# Altium PCB main_board.PcbDoc (part 1 of 2) (continued)
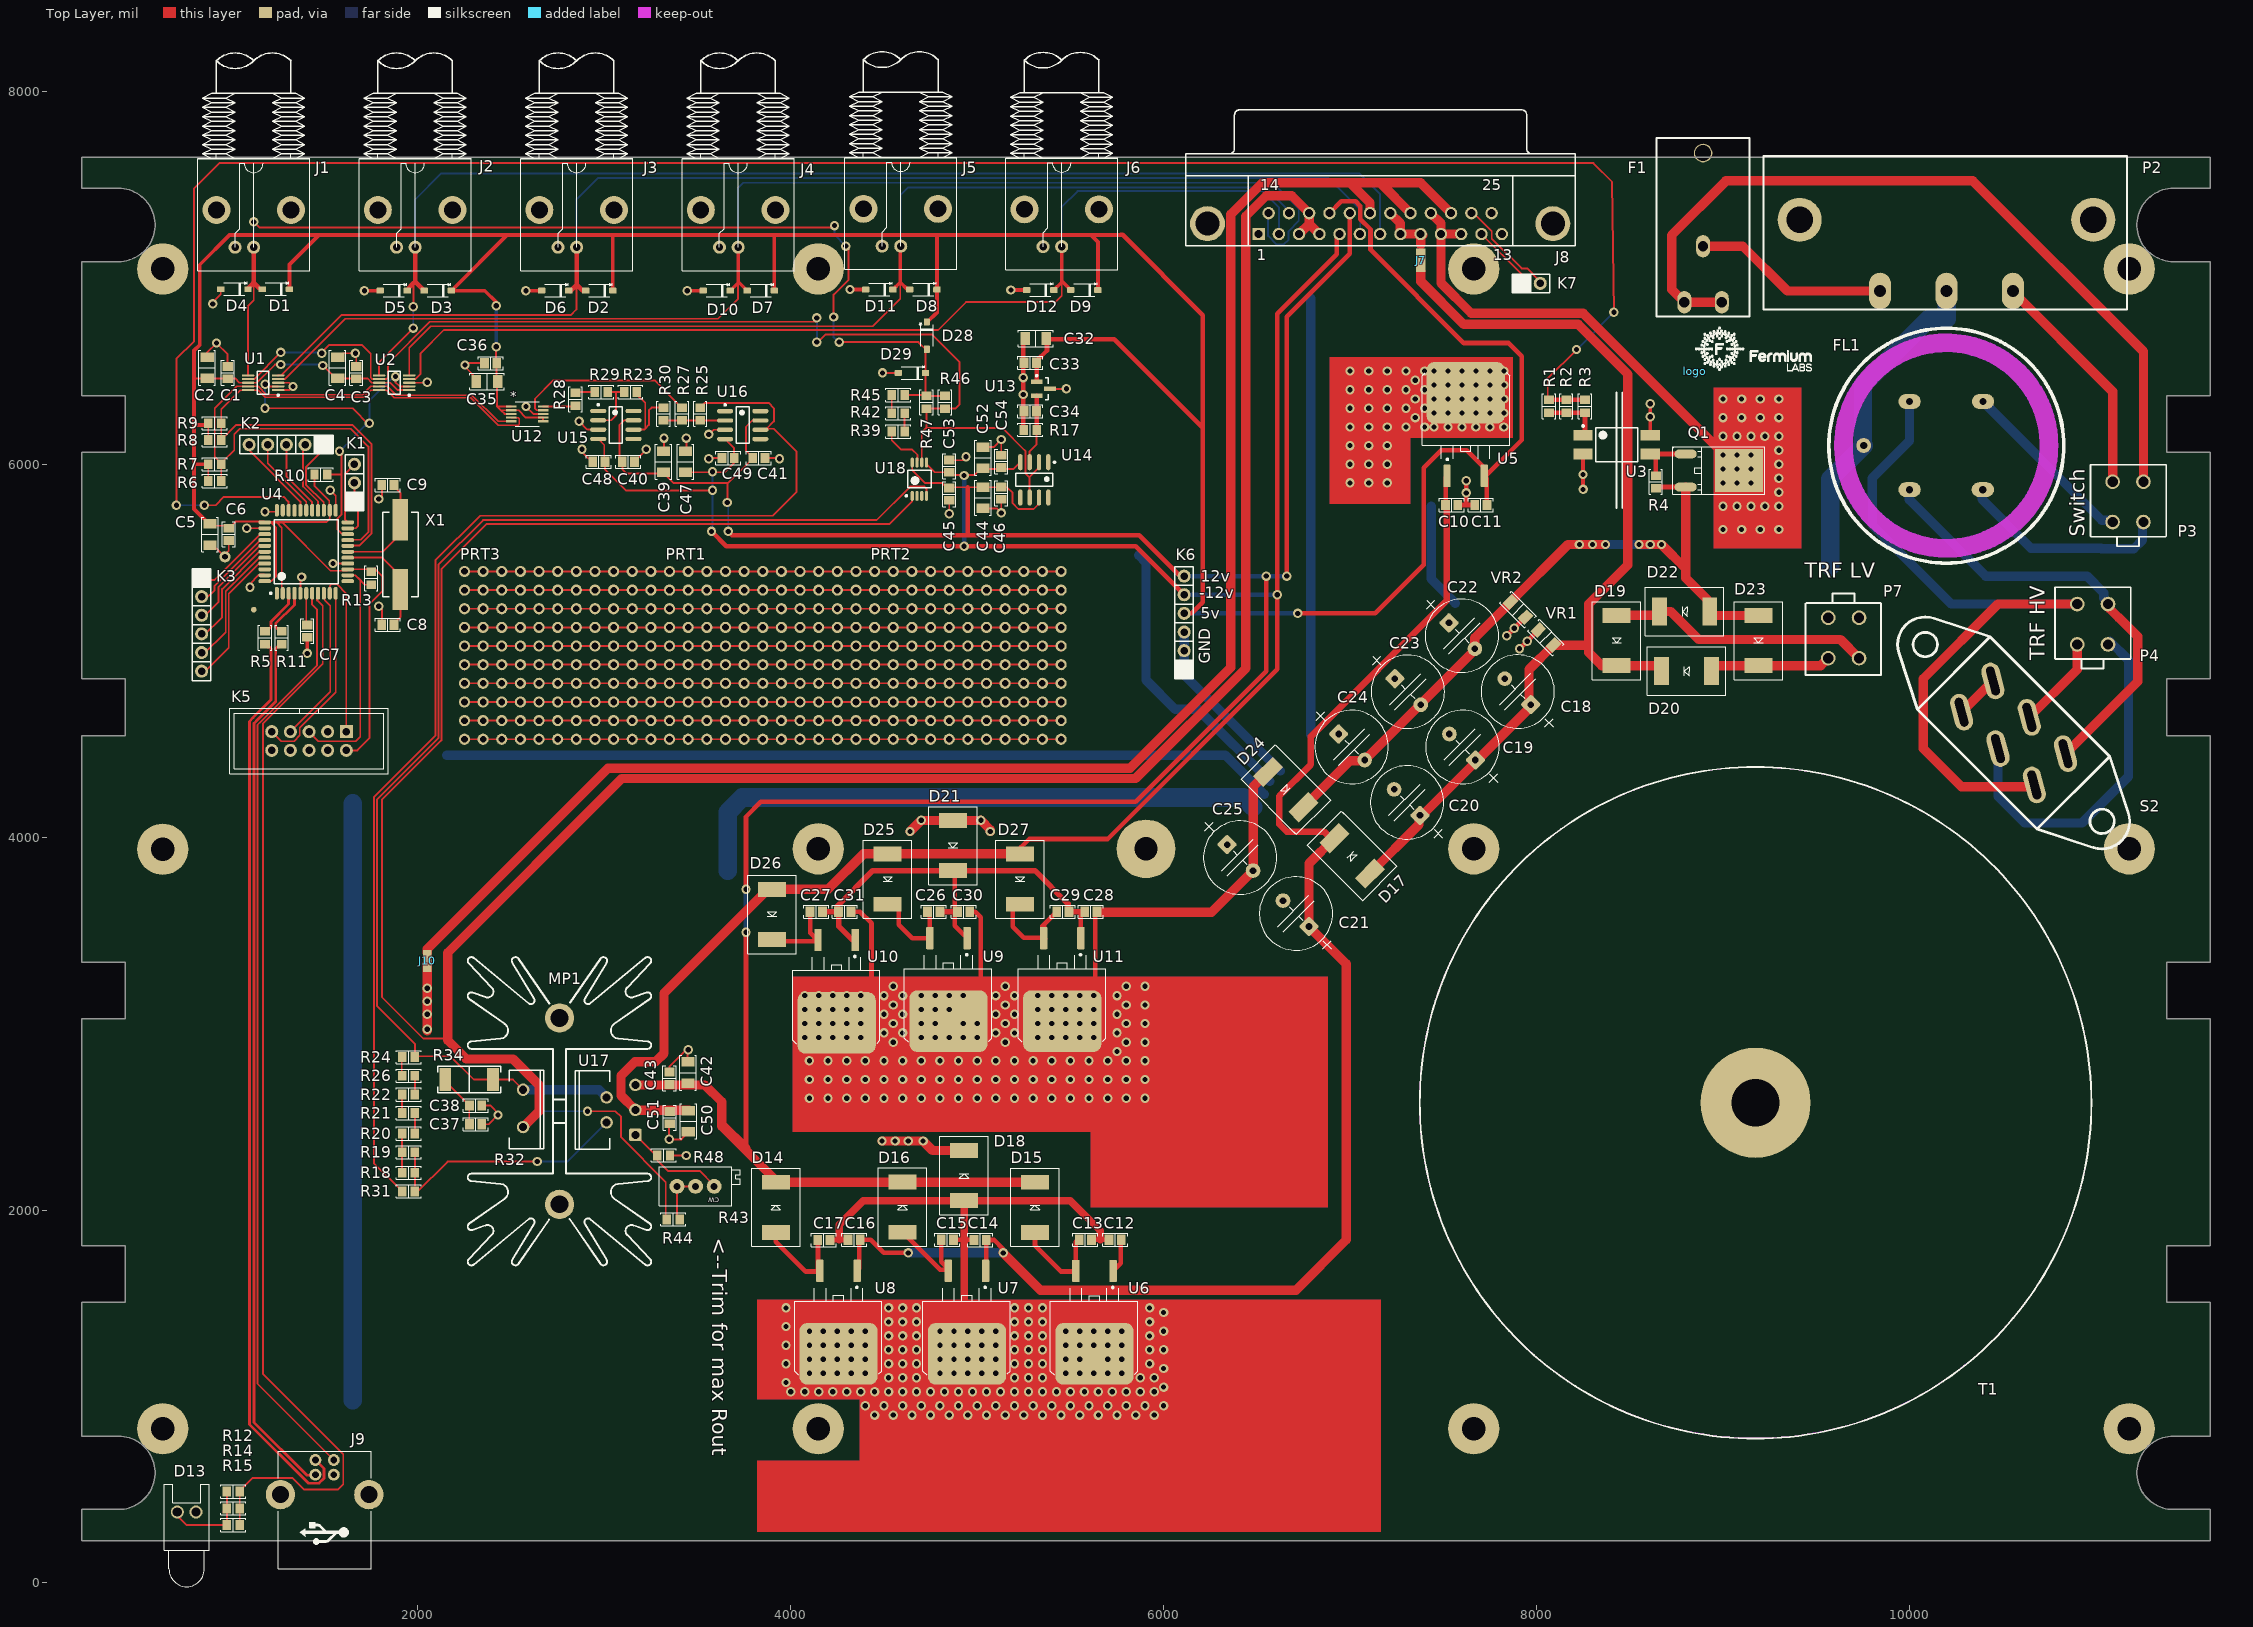
[diagram p0: Top Layer view]
## Components (designator, comment, footprint, x,y, rotation, side; value= is the part's Value field where it differs from the comment) (continued)
X1 "" "ABRACON ABLS" 1906.5,5515.47 r90 top

## Footprints (in the part's own frame and the unit in brackets; to place one, negate y for a bottom-side part, rotate by r counter-clockwise, add the part's x,y. Pads: shape width x height; smd on the part's side, far side on the other; paste and mask are expansions set on the pad)
2way_LP#1 [mil] "2 way low power net tie junction"
  rrect5% 100x50 smd paste-100: 1(-14,0) 2(14,0)
2way_LP#2 [mil] "2 way low power net tie junction"
  rrect5% 90x45 smd paste-100: 1(-14,0) 2(14,0)
21-0061L [mil]
  rect 56x11 smd: 1(-85.5,39.37) 2(-85.5,19.69) 3(-85.5,0) 4(-85.5,-19.68) 5(-85.5,-39.37) 6(85.5,-39.37) 7(85.5,-19.68) 8(85.5,0) 9(85.5,19.69) 10(85.5,39.37)
  silkscreen extent -65,-65 65,65
44ML_N [mm] "Thin QFP, 44-Leads, Body 10x10mm, Pitch 0.8mm, IPC Medium Density"
  oval 1.75x0.55 smd: 1(-5.65,4) 2(-5.65,3.2) 3(-5.65,2.4) 4(-5.65,1.6) 5(-5.65,0.8) 6(-5.65,0) 7(-5.65,-0.8) 8(-5.65,-1.6) 9(-5.65,-2.4) 10(-5.65,-3.2) 11(-5.65,-4) 23(5.65,-4) 24(5.65,-3.2) 25(5.65,-2.4) 26(5.65,-1.6) 27(5.65,-0.8) 28(5.65,0) 29(5.65,0.8) 30(5.65,1.6) 31(5.65,2.4) 32(5.65,3.2) 33(5.65,4)
  oval 0.55x1.75 smd: 12(-4,-5.65) 13(-3.2,-5.65) 14(-2.4,-5.65) 15(-1.6,-5.65) 16(-0.8,-5.65) 17(0,-5.65) 18(0.8,-5.65) 19(1.6,-5.65) 20(2.4,-5.65) 21(3.2,-5.65) 22(4,-5.65) 34(4,5.65) 35(3.2,5.65) 36(2.4,5.65) 37(1.6,5.65) 38(0.8,5.65) 39(0,5.65) 40(-0.8,5.65) 41(-1.6,5.65) 42(-2.4,5.65) 43(-3.2,5.65) 44(-4,5.65)
  silkscreen extent -5.77,-4.35 4.35,4.95, body extent -5,-5 5,5, height 1.2
"ABRACON ABLS" [mm] "Crystal, 2-Leads, Body 4.70x11.40mm, Pitch 8.80mm, IPC Medium Density"
  rect 5.6x2.1 smd: 1(-4.75,0) 2(4.75,0)
  silkscreen extent -5.77,-2.42 5.77,2.43, body extent -6.35,-2.35 6.35,2.35, height 4.2
BNC-RA [mil]
  round 70 hole 40: 1(-200,-200) 2(-300,-200)
  round 150 hole 90: A(0,0) B(-400,0)
  silkscreen extent -500,-325 100,842, body extent -490,-280 91,1127, height 619
"CAP 0805/2012" [mm] "Chip Capacitor, 2-Leads, Body 2.00x1.20mm, IPC Medium Density"
  rect 1.2x1.4 smd: 1(-0.838,0) 2(0.838,0)
  silkscreen extent -1.7,-0.9 1.7,0.9, body extent -1,-0.64 1,0.64, height 1.26
"CAP 1206/3216" [mm] "Chip Capacitor, 2-Leads, Body 3.25x1.60mm, IPC Medium Density"
  rect 1.3x1.8 smd: 1(-1.45,0) 2(1.45,0)
  silkscreen extent -2.38,-1.12 2.37,1.13, body extent -1.6,-0.81 1.6,0.81, height 1.62
"CAP 1206/3216 - 1.8MM" [mm] "Chip Capacitor, 2-Leads, Body 3.25x1.60mm, IPC Medium Density"
  rect 1.3x1.8 smd: 1(-1.45,0) 2(1.45,0)
  silkscreen extent -2.38,-1.13 2.37,1.13, body extent -1.6,-0.8 1.6,0.8, height 1.8
CAPE5.0mm [mm]
  rrect25% 2x2 hole 0.9: 1(-2.5,0)
  round 2 hole 0.9: 2(2.5,0)
  silkscreen extent -6.8,-5 5,5, body extent -4.96,-4.97 4.95,4.96, height 20
D2PAK-3 [mil] "D-PAK/TO-263-3; 3 Leads (1 Cropped); Body 14.7 (inc. leads) x 10.2 mm (LxW max)"
  round 20 on Mech15: 0(0,0)
  rrect25% 120x40 smd: 1(222.5,-100) 3(222.5,100)
  rrect25% 330x420 smd: 2(-222.5,0)
  silkscreen extent -335,-232 139,236, body extent -361,-197 256,197, height 189
DB25 [mm]
  rect 1.69x1.69 hole 1.09: 1(0,0)
  round 1.69 hole 1.09: 2(2.761,0) 3(5.522,0) 4(8.283,0) 5(11.044,0) 6(13.805,0) 7(16.566,0) 8(19.327,0) 9(22.088,0) 10(24.849,0) 11(27.61,0) 12(30.371,0) 13(33.132,0) 14(1.381,2.84) 15(4.141,2.84) 16(6.903,2.84) 17(9.663,2.84) 18(12.424,2.84) 19(15.186,2.84) 20(17.946,2.84) 21(20.708,2.84) 22(23.469,2.84) 23(26.229,2.84) 24(28.991,2.84) 25(31.751,2.84)
  round 4.76 hole 3.26: 26(-6.96,1.42) 27(40.092,1.42)
  silkscreen extent -9.93,-1.58 43.17,16.92, body extent -9.95,-1.55 43.15,16.95, height 12.6
DIODE-SMC [mil]
  rect 80x150 smd: A(-19.68,0) K(-288.74,0)
  silkscreen extent -365,-130 55,130, body extent -309,-118 2,118, height 84
DPAK-GDS [mm]
  rect 6.5x5.9 smd: D(7.275,-2.25)
  oval 3x1.2 smd: G(0,0) S(0,-4.5)
  silkscreen extent -1.78,-5.46 10.79,1.02, body extent -0.5,-5.48 9.44,1.06, height 2.41
FM412-2 [mil]
  oval 120x80 hole 39.37: 1(-195,-236.5) 2(199,-236.5) 4(199,236.5) 5(-194,236.5)
  round 80 hole 39.37: 3(445,-0.5)
  Top Layer keep-out circle w100: c2.43,-0.07 r551.18
  silkscreen extent -628,-629 632,630, body extent -549,-549 553,554, height 610
FPG5-3101-0050 [mil]
  oval 75x120 hole 55: 1(218.5,369.09) 2(118.11,68.9) 2(318.9,68.9)
  round 100 hole 85: 4(218.5,869.09)
  silkscreen extent -31,-7 467,951, body extent -27,1 466,1261, height 502
frm-med [mil]
  silkscreen extent 1,1 626,237
GSP1-8101-1 [mm]
  oval 3x5 hole 1.65: 1(0,0) 2(9.05,0) 3(18.1,0)
  round 6 hole 3.6: NC(-10.95,9.7) NC(29.05,9.7)
  silkscreen extent -15.88,-2.54 33.65,18.41, body extent -15.79,-2.48 33.81,21.82, height 30.25
gullwing-opto-4 [mm] "SOP, 4-Leads, Body 4,60x6,50mm, Pitch 2,54mm, IPC Low Density"
  rect 2.6x1.45 smd: 1(-4.575,1.27) 2(-4.575,-1.27) 3(4.575,-1.27) 4(4.575,1.27)
  silkscreen extent -4.7,-2.3 2.88,2.67, body extent -5.15,-2.3 5.15,2.3, height 3.5
HEADER-1X2 [mil]
  rect 70x70 hole 40: 1(0,0)
  round 70 hole 40: 2(0,-100)
  silkscreen extent -50,-150 50,50, body extent -50,-150 50,50, height 470
HEADER-1X3 [mil]
  rect 70x70 hole 40: 1(0,0)
  round 70 hole 40: 2(0,-100) 3(0,-200)
  silkscreen extent -50,-250 50,50, body extent -50,-250 50,50, height 470
HEADER-1X5 [mil]
  rect 70x70 hole 40: 1(0,0)
  round 70 hole 40: 2(0,-100) 3(0,-200) 4(0,-300) 5(0,-400)
  silkscreen extent -50,-450 50,50, body extent -50,-450 50,50, height 470
HEADER-1X6 [mil]
  rect 70x70 hole 40: 1(0,0)
  round 70 hole 40: 2(0,-100) 3(0,-200) 4(0,-300) 5(0,-400) 6(0,-500)
  silkscreen extent -50,-550 50,50, body extent -50,-550 50,50, height 470
IDC10-B [mil]
  rect 70x70 hole 40: 1(0,0)
  round 70 hole 40: 2(0,100) 3(100,0) 4(100,100) 5(200,0) 6(200,100) 7(300,0) 8(300,100) 9(400,0) 10(400,100)
  silkscreen extent -225,-125 625,225, body extent -225,-125 625,225, height 358
LED-0 [mil] "LED; 2 Leads"
  round 70 hole 50: 1(50,0) 2(-50,0)
  silkscreen extent -120,-400 120,150
MCTA060 [mm]
  round 15 hole 6.5: NC(0,0)
  Keep-Out Layer region: 0,-45.72 -17.503,-42.244 -32.344,-32.335 -42.263,-17.501 -45.75,0 -45.75,0 -39.621,22.875 -22.875,39.62 0,45.75 0,45.75 17.501,42.263 32.335,32.344 42.244,17.503 45.72,0 45.72,0 42.24,-17.496 32.329,-32.329 17.496,-42.24 0,-45.72
  silkscreen extent -45.75,-45.75 45.75,45.75, body extent -42.5,-42.49 42.5,42.49, height 30
MOLEX-039281043 [mm]
  round 2 hole 1.4: 1(4.2,0) 2(0,0) 3(4.2,5.5) 4(0,5.5)
  silkscreen extent -3.1,-2.3 7.2,8.8, body extent -3.12,-2.26 7.28,8.74, height 12.8
"MSOP_MO-187-AA AD8220" [mm] "TSOP, 8-Leads, Body 3.00x3.00mm, Pitch 0.65mm, IPC Medium Density"
  oval 1.35x0.45 smd: 1(-2.275,0.975) 2(-2.275,0.325) 3(-2.275,-0.325) 4(-2.275,-0.975) 5(2.275,-0.975) 6(2.275,-0.325) 7(2.275,0.325) 8(2.275,0.975)
  silkscreen extent -2.4,-1.6 1.2,1.9, body extent -2.45,-1.6 2.45,1.6, height 1.1
protoboard-1inch [mil]
  round 60 hole 35.43: 1(0,1000) 1(100,1000) 1(200,1000) 1(300,1000) 1(400,1000) 1(500,1000) 1(600,1000) 1(700,1000) 1(800,1000) 1(900,1000) 1(1000,1000) 2(0,900) 2(100,900) 2(200,900) 2(300,900) 2(400,900) 2(500,900) 2(600,900) 2(700,900) 2(800,900) 2(900,900) 2(1000,900) 3(0,800) 3(100,800) 3(200,800) 3(300,800) 3(400,800) 3(500,800) 3(600,800) 3(700,800) 3(800,800) 3(900,800) 3(1000,800) 4(0,700) 4(100,700) 4(200,700) 4(300,700) 4(400,700) 4(500,700) 4(600,700) 4(700,700) 4(800,700) 4(900,700) 4(1000,700) 5(0,600) 5(100,600) 5(200,600) 5(300,600) 5(400,600) 5(500,600) 5(600,600) 5(700,600) 5(800,600) 5(900,600) 5(1000,600) 6(0,500) 6(100,500) 6(200,500) 6(300,500) 6(400,500) 6(500,500) 6(600,500) 6(700,500) 6(800,500) 6(900,500) 6(1000,500) 7(0,400) 7(100,400) 7(200,400) 7(300,400) 7(400,400) 7(500,400) 7(600,400) 7(700,400) 7(800,400) 7(900,400) 7(1000,400) 8(0,300) 8(100,300) 8(200,300) 8(300,300) 8(400,300) 8(500,300) 8(600,300) 8(700,300) 8(800,300) 8(900,300) 8(1000,300) 9(0,200) 9(100,200) 9(200,200) 9(300,200) 9(400,200) 9(500,200) 9(600,200) 9(700,200) 9(800,200) 9(900,200) 9(1000,200) 10(0,100) 10(100,100) 10(200,100) 10(300,100) 10(400,100) 10(500,100) 10(600,100) 10(700,100) 10(800,100) 10(900,100) 10(1000,100)
"RES 0805/2012" [mm] "Chip Resistor, 2-Leads, Body 2.00x1.25mm, IPC Medium Density"
  rect 1.15x1.35 smd: 1(-0.875,0) 2(0.875,0)
  silkscreen extent -1.7,-0.9 1.7,0.9, body extent -0.95,-0.62 1.05,0.63, height 0.6
SK129-50STS [mm]
  round 4 hole 2.4: 1(-12.624,-0.013) 1(12.776,-0.013)
  silkscreen extent -20.93,-12.5 21.07,12.5, body extent -20.93,-12.43 21.07,12.57, height 51
SOD123 [mm] "SOD-123; 2 Leads; Body 2.7 x 1.6 mm, (LxW)"
  round 0.508 on Mech15: 0(0,0)
  rrect25% 1x0.8 smd: A(1.85,0) K(-1.85,0)
  silkscreen extent -1.75,-1 1.45,0.85, body extent -1.95,-0.9 1.95,0.9, height 1.18
"STACKPOLE CSRN2512" [mm] "Chip Resistor, 2-Leads, Body 6.40x3.20mm, IPC Medium Density"
  rect 1.6x3.1 smd: 1(-3.25,0) 2(3.25,0)
  silkscreen extent -4.3,-1.8 4.3,1.8, body extent -3.25,-1.58 3.25,1.57, height 0.6
T22205B [mil]
  oval 200x98.43 hole 45 slot 157.48 at 150 deg rot 150: 1(551.44,237) 2(551.44,0) 3(276,237.39) 4(275.61,0) 5(0,237.39) 6(0,0)
  silkscreen extent -543,-157 1094,394, body extent -542,-157 1092,395, height 517
TI-D8_N [mm] "SOIC, 8-Leads, Body 4.9x3.9mm, Pitch 1.27mm, IPC Medium Density"
  oval 2.2x0.6 smd: 1(-2.4,1.905) 2(-2.4,0.635) 3(-2.4,-0.635) 4(-2.4,-1.905) 5(2.4,-1.905) 6(2.4,-0.635) 7(2.4,0.635) 8(2.4,1.905)
  silkscreen extent -2.52,-2.5 0.9,2.88, body extent -2,-2.5 2,2.5, height 1.75
TI-DBZ3_N [mm] "SOT23, 3-Leads, Body 2.92x1.3 mm, Pitch 0.95 mm, IPC Medium Density"
  rect 1.6x0.6 smd: 1(-0.9,0.95) 2(-0.9,-0.95) 3(0.9,0)
  silkscreen extent -1.02,-1.5 0.7,1.92, body extent -0.7,-1.52 0.7,1.52, height 1.12
TI-DGS10_N [mm] "SOP, 10-Leads, Body 3x3mm, Pitch 0.5mm, IPC Medium Density"
  oval 1.7x0.3 smd: 1(-2.05,1) 2(-2.05,0.5) 3(-2.05,0) 4(-2.05,-0.5) 5(-2.05,-1) 6(2.05,-1) 7(2.05,-0.5) 8(2.05,0) 9(2.05,0.5) 10(2.05,1)
  silkscreen extent -2.18,-1.55 0.8,1.82, body extent -1.55,-1.55 1.55,1.55, height 1.1
TO220-2PIN [mil]
  round 66.93 hole 43: 1(-103,0) 2(97,0)
  silkscreen extent -207,-73 214,112, body extent -237,-68 231,105, height 1028
TO-220-5 [mm] "TO, Thru-Hole, Vertical, Heatsink Mounted; 5 Bent Staggered Leads; Pitch 1.7mm"
  round 0.5 on Mech15: 0(0,0)
  rrect25% 1.7x1.7 hole 1.092: 1(-3.4,-1.96)
  round 1.7 hole 1.092: 2(-1.7,1.96) 3(0,-1.96) 4(1.7,1.96) 5(3.4,-1.96)
  silkscreen extent -5.35,1.51 5.35,6.21, body extent -5.08,-2.16 5.08,6.08, height 20.99
trimmer-multiturn [mil]
  round 80 hole 38: 1(0,0) 2(200,0) 3(100,0)
  silkscreen extent -140,-104 295,104, body extent -140,-98 289,98, height 394
USB_TypeB [mil]
  round 64 hole 36 mask+1: 1(-49.21,-39.16) 2(49.21,-39.16) 3(49.21,39.58) 4(-49.21,39.58)
  round 157.48 hole 90.55 mask+0: 4(-237.01,146.27) 4(237.01,146.27)
  silkscreen extent -250,-85 250,545, body extent -283,-67 283,551, height 453

## Part data
C1 C3 C6 C33 C34 C37 C38: library part Cap2, "Capacitor", Capacitance=100nF, Capacitor kind=MLCC, Capacitor type=ceramic, Case - inch=0805, Case - mm=2012, Dielectric=X7R, Manufacturer=YAGEO, Manufacturer Part Number=CC0805JRX7R9BB104, Operating voltage=50V, Supplier Part Number 1=CC0805JRX7R9104, Tolerance=±5%, Category="0805 MLCC SMD Capacitors", ComponentLink1Description=http://static.tme.eu/products_pics/d/b/b/dbbd93eaf25225110ca26eb66da77328/58538.jpg, ComponentLink1URL=http://static.tme.eu/products_pics/d/b/b/dbbd93eaf25225110ca26eb66da77328/58538.jpg, MinAmount=100, Mounting=SMD, Multiples=100, Pads="2 SMD", Price Type=NET, Pricing 1="100=0.00613, 300=0.00464, 1000=0.00342, 4000=0.00284, 20000=0.00273 (EUR)", Stock 1=89911, SuppliedAmount=0, Supplier 1=TME, Unit=pcs, Weight=0.042
C2 C4 C5 C32: library part Cap2, "Capacitor", Capacitance=10µF, Capacitor kind=MLCC, Capacitor type=ceramic, Case - inch=1206, Case - mm=3216, Dielectric=X5R, Manufacturer=SAMSUNG, Manufacturer Part Number=CL31A106KAHNNNE, Operating temperature=-55...85°C, Operating voltage=25V, Tolerance=±10%, Category="1206 MLCC SMD Capacitors", ComponentLink1Description=http://static.tme.eu/products_pics/b/e/9/be9e0dd298dcf4979ea1dd3d226e0bfa/58780.jpg, ComponentLink1URL=http://static.tme.eu/products_pics/b/e/9/be9e0dd298dcf4979ea1dd3d226e0bfa/58780.jpg, MinAmount=100, Mounting=SMD, Multiples=100, PackageDescription=1206, PackageReference=CAPR5-4X5, Pads="2 SMD", Price Type=NET, Pricing 1="100=0.0248, 300=0.0203, 1000=0.0167, 2000=0.0131, 10000=0.0127 (EUR)", Published=23-Sep-2002, Publisher="Altium Limited", Stock 1=279700, SuppliedAmount=0, Supplier 1=TME, Supplier Part Number 1=CL31A106KAHNNNE, Unit=pcs, Weight=0.061
C7 C10 C11 C12 C13 C14 C15 C16 C17 C26 C27 C28 C29 C30 C31: library part Cap2, "Capacitor", Capacitance=1µF, Capacitor kind=MLCC, Capacitor type=ceramic, Case - inch=0805, Case - mm=2012, Dielectric=X7R, Manufacturer=SAMSUNG, Manufacturer Part Number=CL21B105KAFNNNE, Operating temperature=-55...125°C, Operating voltage=25V, Tolerance=±10%, Category="0805 MLCC SMD Capacitors", ComponentLink1Description=http://static.tme.eu/products_pics/d/b/b/dbbd93eaf25225110ca26eb66da77328/58538.jpg, ComponentLink1URL=http://static.tme.eu/products_pics/d/b/b/dbbd93eaf25225110ca26eb66da77328/58538.jpg, MinAmount=100, Mounting=SMD, Multiples=100, PackageDescription="Capacitor; 2 Leads", PackageReference=CAPR5-4X5, Pads="2 SMD", Price Type=NET, Pricing 1="100=0.0108, 300=0.00924, 1000=0.00748, 2000=0.006, 6000=0.0058 (EUR)", Published=23-Sep-2002, Publisher="Altium Limited", Stock 1=56790, SuppliedAmount=0, Supplier 1=TME, Supplier Part Number 1=CL21B105KAFNNNE, Unit=pcs, Weight=0.039
C8 C9: library part Cap2, "Capacitor", Capacitance=22pF, Capacitor kind=MLCC, Capacitor type=ceramic, Case - inch=0805, Case - mm=2012, Dielectric=C0G, Manufacturer=SAMSUNG, Manufacturer Part Number=CL21C220JBANNNC, Operating temperature=-55...125°C, Operating voltage=50V, Tolerance=±5%, Category="0805 MLCC SMD Capacitors", ComponentLink1Description=http://static.tme.eu/products_pics/d/b/b/dbbd93eaf25225110ca26eb66da77328/58538.jpg, ComponentLink1URL=http://static.tme.eu/products_pics/d/b/b/dbbd93eaf25225110ca26eb66da77328/58538.jpg, MinAmount=100, Mounting=SMD, Multiples=100, PackageDescription="Capacitor; 2 Leads", PackageReference=CAPR5-4X5, Pads="2 SMD", Price Type=NET, Pricing 1="100=0.00603, 300=0.00435, 1000=0.00317, 4000=0.00171, 12000=0.00163 (EUR)", Published=23-Sep-2002, Publisher="Altium Limited", Stock 1=298580, SuppliedAmount=0, Supplier 1=TME, Supplier Part Number 1=CL21C220JBANNNC, Unit=pcs, Weight=0.032
C18 C19 C20 C21 C22 C23 C24 C25: library part "Cap Pol1", "capacitor , electrolytic", Capacitance=1000µF, Capacitor type=electrolytic, Manufacturer=NICHICON, Manufacturer Part Number=UVZ1V102MHD, Operating current max.=810mA, Operating temperature=-55...105°C, Operating voltage="35V DC", Tolerance=±20%, Body dimensions="Ø12.5 x 20mm", Category="105°C THT Electrolytic Capacitors", ComponentLink1Description=http://static.tme.eu/products_pics/c/5/f/c5fef3dcb868d5f42dbf93bcba194bc3/52948.jpg, ComponentLink1URL=http://static.tme.eu/products_pics/c/5/f/c5fef3dcb868d5f42dbf93bcba194bc3/52948.jpg, ComponentLink2Description=http://static.tme.eu/products_pics/9/d/3/9d3c8a28bff4572cbe0221dcc6b489cc/52582.jpg, ComponentLink2URL=http://static.tme.eu/products_pics/9/d/3/9d3c8a28bff4572cbe0221dcc6b489cc/52582.jpg, LatestRevisionDate=17-Jul-2002, LatestRevisionNote="Re-released for DXP Platform.", MinAmount=5, Mounting=THT, Multiples=1, PackageDescription=10pitch, PackageReference=RB7.6-15, Pads="2 THT", Price Type=NET, Pricing 1="5=0.33643, 25=0.28487, 100=0.21269, 400=0.19593 (EUR)", Pricing 2="25=0.24372, 100=0.18546, 400=0.1709, 1600=0.15536 (EUR)", Published=8-Jun-2000, Publisher="Altium Limited", Service life=1000h, Stock 1=0, Stock 2=838, SuppliedAmount=0, Supplier 1=TME, Supplier 2=TME, Supplier Part Number 1=UVZ1V102MHD, Supplier Part Number 2=UVR1V102MHD, Terminal pitch=5mm, Unit=pcs, Weight=3.7
  C24: 2 THT=Pads
C35 C39 C42 C44 C47 C50 C52: "Capacitor", Capacitance=10µF, Capacitor kind=MLCC, Capacitor type=ceramic, Case - inch=1206, Case - mm=3216, Dielectric=X5R, Manufacturer=SAMSUNG, Manufacturer Part Number=CL31A106KAHNNNE, Operating temperature=-55...85°C, Operating voltage=25V, Tolerance=±10%, Category="1206 MLCC SMD Capacitors", ComponentLink1Description=http://static.tme.eu/products_pics/b/e/9/be9e0dd298dcf4979ea1dd3d226e0bfa/58780.jpg, ComponentLink1URL=http://static.tme.eu/products_pics/b/e/9/be9e0dd298dcf4979ea1dd3d226e0bfa/58780.jpg, MinAmount=100, Mounting=SMD, Multiples=100, PackageDescription=1206, PackageReference=CAPR5-4X5, Pads="2 SMD", Price Type=NET, Pricing 1="100=0.0248, 300=0.0203, 1000=0.0167, 2000=0.0131, 10000=0.0127 (EUR)", Published=23-Sep-2002, Publisher="Altium Limited", Stock 1=279700, SuppliedAmount=0, Supplier 1=TME, Supplier Part Number 1=CL31A106KAHNNNE, Unit=pcs, Weight=0.061
  C44: 2 SMD=Pads
C36 C40 C41 C43 C45 C46 C48 C49 C51 C53 C54: library part Cap2, "Capacitor", Capacitance=100nF, Manufacturer=YAGEO, Manufacturer Part Number=CC0805JRX7R9BB104, Supplier Part Number 1=CC0805JRX7R9104, Pads="2 SMD", Supplier 1=TME
D1 D2 D3 D4 D5 D6 D7 D8 D9 D10 D11 D12 D28 D29: library part "D Schottky", "Schottky Diode", Case=SOD123, Forward voltage at If=390mV, Load current=500mA, Manufacturer="FAIRCHILD SEMICONDUCTOR", Manufacturer Part Number=MBR0520L, Off state voltage max.=20V, Category="SMD Schottky Diodes", Code_JEDEC=DO-214-AA, ComponentLink1Description=http://static.tme.eu/products_pics/e/d/b/edbd030cb344fc64745afa0f91101952/285567.jpg, ComponentLink1URL=http://static.tme.eu/products_pics/e/d/b/edbd030cb344fc64745afa0f91101952/285567.jpg, Diode type="Schottky rectifying", LatestRevisionDate=17-Jul-2002, LatestRevisionNote="Re-released for DXP Platform.", MinAmount=10, Mounting=SMD, Multiples=1, PackageDescription="DO-214-AA/SMB; 2 C-Bend Leads; Body 5.3 x 3.6 mm, inc. leads (LxW)", PackageReference=SMB, Pads="2 SMD", Price Type=NET, Pricing 1="10=0.0403, 50=0.0376, 250=0.0333, 1000=0.03, 3000=0.0281 (EUR)", Published=8-Jun-2000, Publisher="Altium Limited", Stock 1=24595, SuppliedAmount=0, Supplier 1=TME, Supplier Part Number 1=MBR0520L, Unit=pcs, Weight=0.032
  D10: 2=SMD
D13: library part LED0, "LED red 5mm", LED colour=red, LED current=20mA, Manufacturer="KINGBRIGHT ELECTRONIC", Manufacturer Part Number=L-1503CB/1ID, Operating voltage=2...2.5V, Category="LED Circuit Board Indicators", ComponentLink1Description=http://static.tme.eu/products_pics/2/d/8/2d8734f7e5dfd4453dcfb445f87d0bf6/363629.jpg, ComponentLink1URL=http://static.tme.eu/products_pics/2/d/8/2d8734f7e5dfd4453dcfb445f87d0bf6/363629.jpg, Diode type=LED, Front=convex, LED diameter=5mm, LED lens=diffused, LED version="in housing", Luminosity=8-30mcd, MinAmount=5, Mounting=THT, Multiples=1, Number of diodes=1, Pads="2 THT", Price Type=NET, Pricing 1="5=0.1308, 10=0.11837, 25=0.10529, 100=0.09483, 500=0.08829 (EUR)", Stock 1=1055, SuppliedAmount=0, Supplier 1=TME, Supplier Part Number 1=L-1503CB/1ID, Unit=pcs, Viewing angle=60°, Wavelength=625nm, Weight=0.4
D14 D15 D16 D17 D18 D19 D20 D21 D22 D23 D24 D25 D26 D27: library part "Diode 1N4007", "Diode rectifier 1A", Case=DO214AB, Manufacturer="DIOTEC SEMICONDUCTOR", Manufacturer Part Number=S3D, Supplier Part Number 1=S3D-DIO, Pads="2 SMD", Supplier 1=TME
F1: library part Res2, "fuse holder", Colour=black, Contact resistance=5mO, Flammability rating=UL94V-0, Manufacturer=SCHURTER, Manufacturer Part Number=3101.0050, Manufacturer series=FPG5, Maximum current=10A, Operating temperature=-40...85°C, Rated voltage="250V AC", Body material=thermoplastic, Category="Fuses - PCB Fuseholders", ComponentLink1Description=http://static.tme.eu/products_pics/c/7/b/c7be9a841de84195debe9c2bc5e13201/378039.jpg, ComponentLink1URL=http://static.tme.eu/products_pics/c/7/b/c7be9a841de84195debe9c2bc5e13201/378039.jpg, Contact material=copper, Contact plating=tinned, Fuse accessories type="fuse holder", Fuses application="tube fuses", Fuse size=5x20mm, MinAmount=1, Mounting=PCB, Mounting hole diameter=Ø12.5mm, Multiples=1, Pads="3 THT", Price Type=NET, Pricing 1="1=1.3262, 5=1.2056, 20=1.0248, 50=0.9042, 100=0.7837 (EUR)", Stock 1=748, SuppliedAmount=0, Supplier 1=TME, Supplier Part Number 1=3101.0050, Unit=pcs, Weight=5.157
FL1: library part emi_filter, Capacitance Cx=100nF, Capacitance Cy=2.2nF, Inductance of individual winding=2mH, Manufacturer=FILTERCON, Manufacturer Part Number=FM414-2, Operating current max.=2A, Operating voltage="250V AC", Category="THT Suppression Filters", ComponentLink1Description=http://static.tme.eu/products_pics/2/9/f/29f0a38a703704a9c5886b8224f607ef/346186.jpg, ComponentLink1URL=http://static.tme.eu/products_pics/2/9/f/29f0a38a703704a9c5886b8224f607ef/346186.jpg, ComponentLink2Description=http://static.tme.eu/products_pics/f/8/b/f8b7aa3a0d349d9562b424160ad18612/6719.jpg, ComponentLink2URL=http://static.tme.eu/products_pics/f/8/b/f8b7aa3a0d349d9562b424160ad18612/6719.jpg, ComponentLink3Description=http://static.tme.eu/products_pics/3/4/2/3420617ffe855077c7443b070bb0da97/359972.jpg, ComponentLink3URL=http://static.tme.eu/products_pics/3/4/2/3420617ffe855077c7443b070bb0da97/359972.jpg, ComponentLink4Description=http://static.tme.eu/products_pics/8/c/6/8c6609017eb196817ebf7bb4af7e52b0/22859.jpg, ComponentLink4URL=http://static.tme.eu/products_pics/8/c/6/8c6609017eb196817ebf7bb4af7e52b0/22859.jpg, ComponentLink5Description=http://static.tme.eu/products_pics/3/1/9/3198dfd0aef271d22f7bcddd6f12f5cb/6717.jpg, ComponentLink5URL=http://static.tme.eu/products_pics/3/1/9/3198dfd0aef271d22f7bcddd6f12f5cb/6717.jpg, Enclosure material=metal, Filter type=anti-interference, MinAmount=1, Mounting=THT, Multiples=1, Pads="5 THT", Price Type=NET, Pricing 1="1=2.68, 5=2.45, 10=2.02 (EUR)", Pricing 2="1=3.58, 5=3.13, 10=2.68 (EUR)", Pricing 3="1=2.45, 5=2.25, 10=1.89, 50=1.84, 200=1.81 (EUR)", Pricing 4="1=3.13, 5=2.9, 10=2.45 (EUR)", Pricing 5="1=3.58, 5=3.13, 10=2.68 (EUR)", Stock 1=0, Stock 2=25, Stock 3=14, Stock 4=1, Stock 5=0, SuppliedAmount=0, Supplier 1=TME, Supplier 2=TME, Supplier 3=TME, Supplier 4=TME, Supplier 5=TME, Supplier Part Number 1=FM414-2, Supplier Part Number 2=1FM415-0R, Supplier Part Number 3=FM415-0, Supplier Part Number 4=FM411-4, Supplier Part Number 5=1FM411-4R, Unit=pcs, Weight=12.938
J1 J2 J3 J4 J5 J6: library part BNC-PCB-RA, "connector bnc", Manufacturer="TE CONNECTIVITY", Manufacturer Part Number=1-1337543-0, Category="BNC connectors", ComponentLink1Description=http://static.tme.eu/products_pics/6/3/2/63240353f8a8790dbe8f7bd93b014c1a/378606.jpg, ComponentLink1URL=http://static.tme.eu/products_pics/6/3/2/63240353f8a8790dbe8f7bd93b014c1a/378606.jpg, Connector=socket, Connector type=BNC, Connector variant=insulated, Contact plating="gold plated", Electrical mounting=THT, Insulator material=polyester, Mechanical mounting="on PCBs", MinAmount=1, Multiples=1, Pads="4 THT", Price Type=NET, Pricing 1="1=1.22, 25=1.1, 100=0.98, 1000=0.86 (EUR)", Spatial orientation="angled 90°", Stock 1=44, SuppliedAmount=0, Supplier 1=TME, Supplier Part Number 1=1-1337543-0, Unit=pcs, Wave impedance=50O, Weight=13.22
J7 J10: library part 2way, ComponentLink1Description=Source, ComponentLink1URL=http://www.edatools.cz/addons, FootprintNote="LP=12mil, MP=40mil, HP=120mil"
J8: library part "D Connector 25", "d-sub, 25 pins,  Right Angle", Manufacturer="ADAM TECH", Manufacturer Part Number=DB25-SL-24, Category="D-Sub connectors", Pads="29 THT", Supplier 1=TME, Supplier Part Number 1=DB25-SL-24
J9: library part USB-B, "USB b device connector", Colour=white, Manufacturer=LUMBERG, Manufacturer Part Number="2411 02", Supplier Part Number 1=2411-02, Category="USB & IEEE1394 connectors", ComponentLink1Description=http://static.tme.eu/products_pics/d/8/1/d81dedeb5f01696a6050c2c1b3ea9f71/397242.jpg, ComponentLink1URL=http://static.tme.eu/products_pics/d/8/1/d81dedeb5f01696a6050c2c1b3ea9f71/397242.jpg, Connector=socket, Connector type="USB B", Electrical mounting=THT, Mechanical mounting="on PCBs", MinAmount=1, Multiples=1, Number of pins=4, Pads="6 THT", Price Type=NET, Pricing 1="1=0.58, 10=0.52, 50=0.46, 100=0.4 (EUR)", Spatial orientation="angled 90°", Stock 1=1211, SuppliedAmount=0, Supplier 1=TME, Unit=pcs, Variant="USB 2.0", Weight=3.4
K1 K3 K6 K7: Supplier Part Number 1=S1011E-36-ND, Supplier 1=Digi-Key
  K7: REEL=TH
K2: "PINHEADER 1X5", Supplier Part Number 1=S1011E-36-ND, REEL=TH, Supplier 1=Digi-Key
K5: library part IDC10, "header 10pin, boxed", Manufacturer=NINIGI, Manufacturer Part Number=ZL231-10PG, Category="IDC connectors", ComponentLink1Description=http://static.tme.eu/products_pics/2/9/e/29e35db67837c6e13659dd28b2765932/375255.jpg, ComponentLink1URL=http://static.tme.eu/products_pics/2/9/e/29e35db67837c6e13659dd28b2765932/375255.jpg, Connector=socket, Connector type=IDC, Contact plating="gold plated", Contacts pitch=2.54mm, Electrical mounting=THT, MinAmount=10, Multiples=10, Number of pins=10, Pads="10 THT", Price Type=NET, Pricing 1="10=0.08292, 50=0.07256, 200=0.06219, 1000=0.05183, 5000=0.04147 (EUR)", Spatial orientation=straight, Stock 1=106380, SuppliedAmount=0, Supplier 1=TME, Supplier Part Number 1=ZL231-10PG, Type of pin configuration=2x5, Unit=pcs, Weight=1.433